# KiCad board LightRail_LPO_1.6T.kicad_pcb (continued)
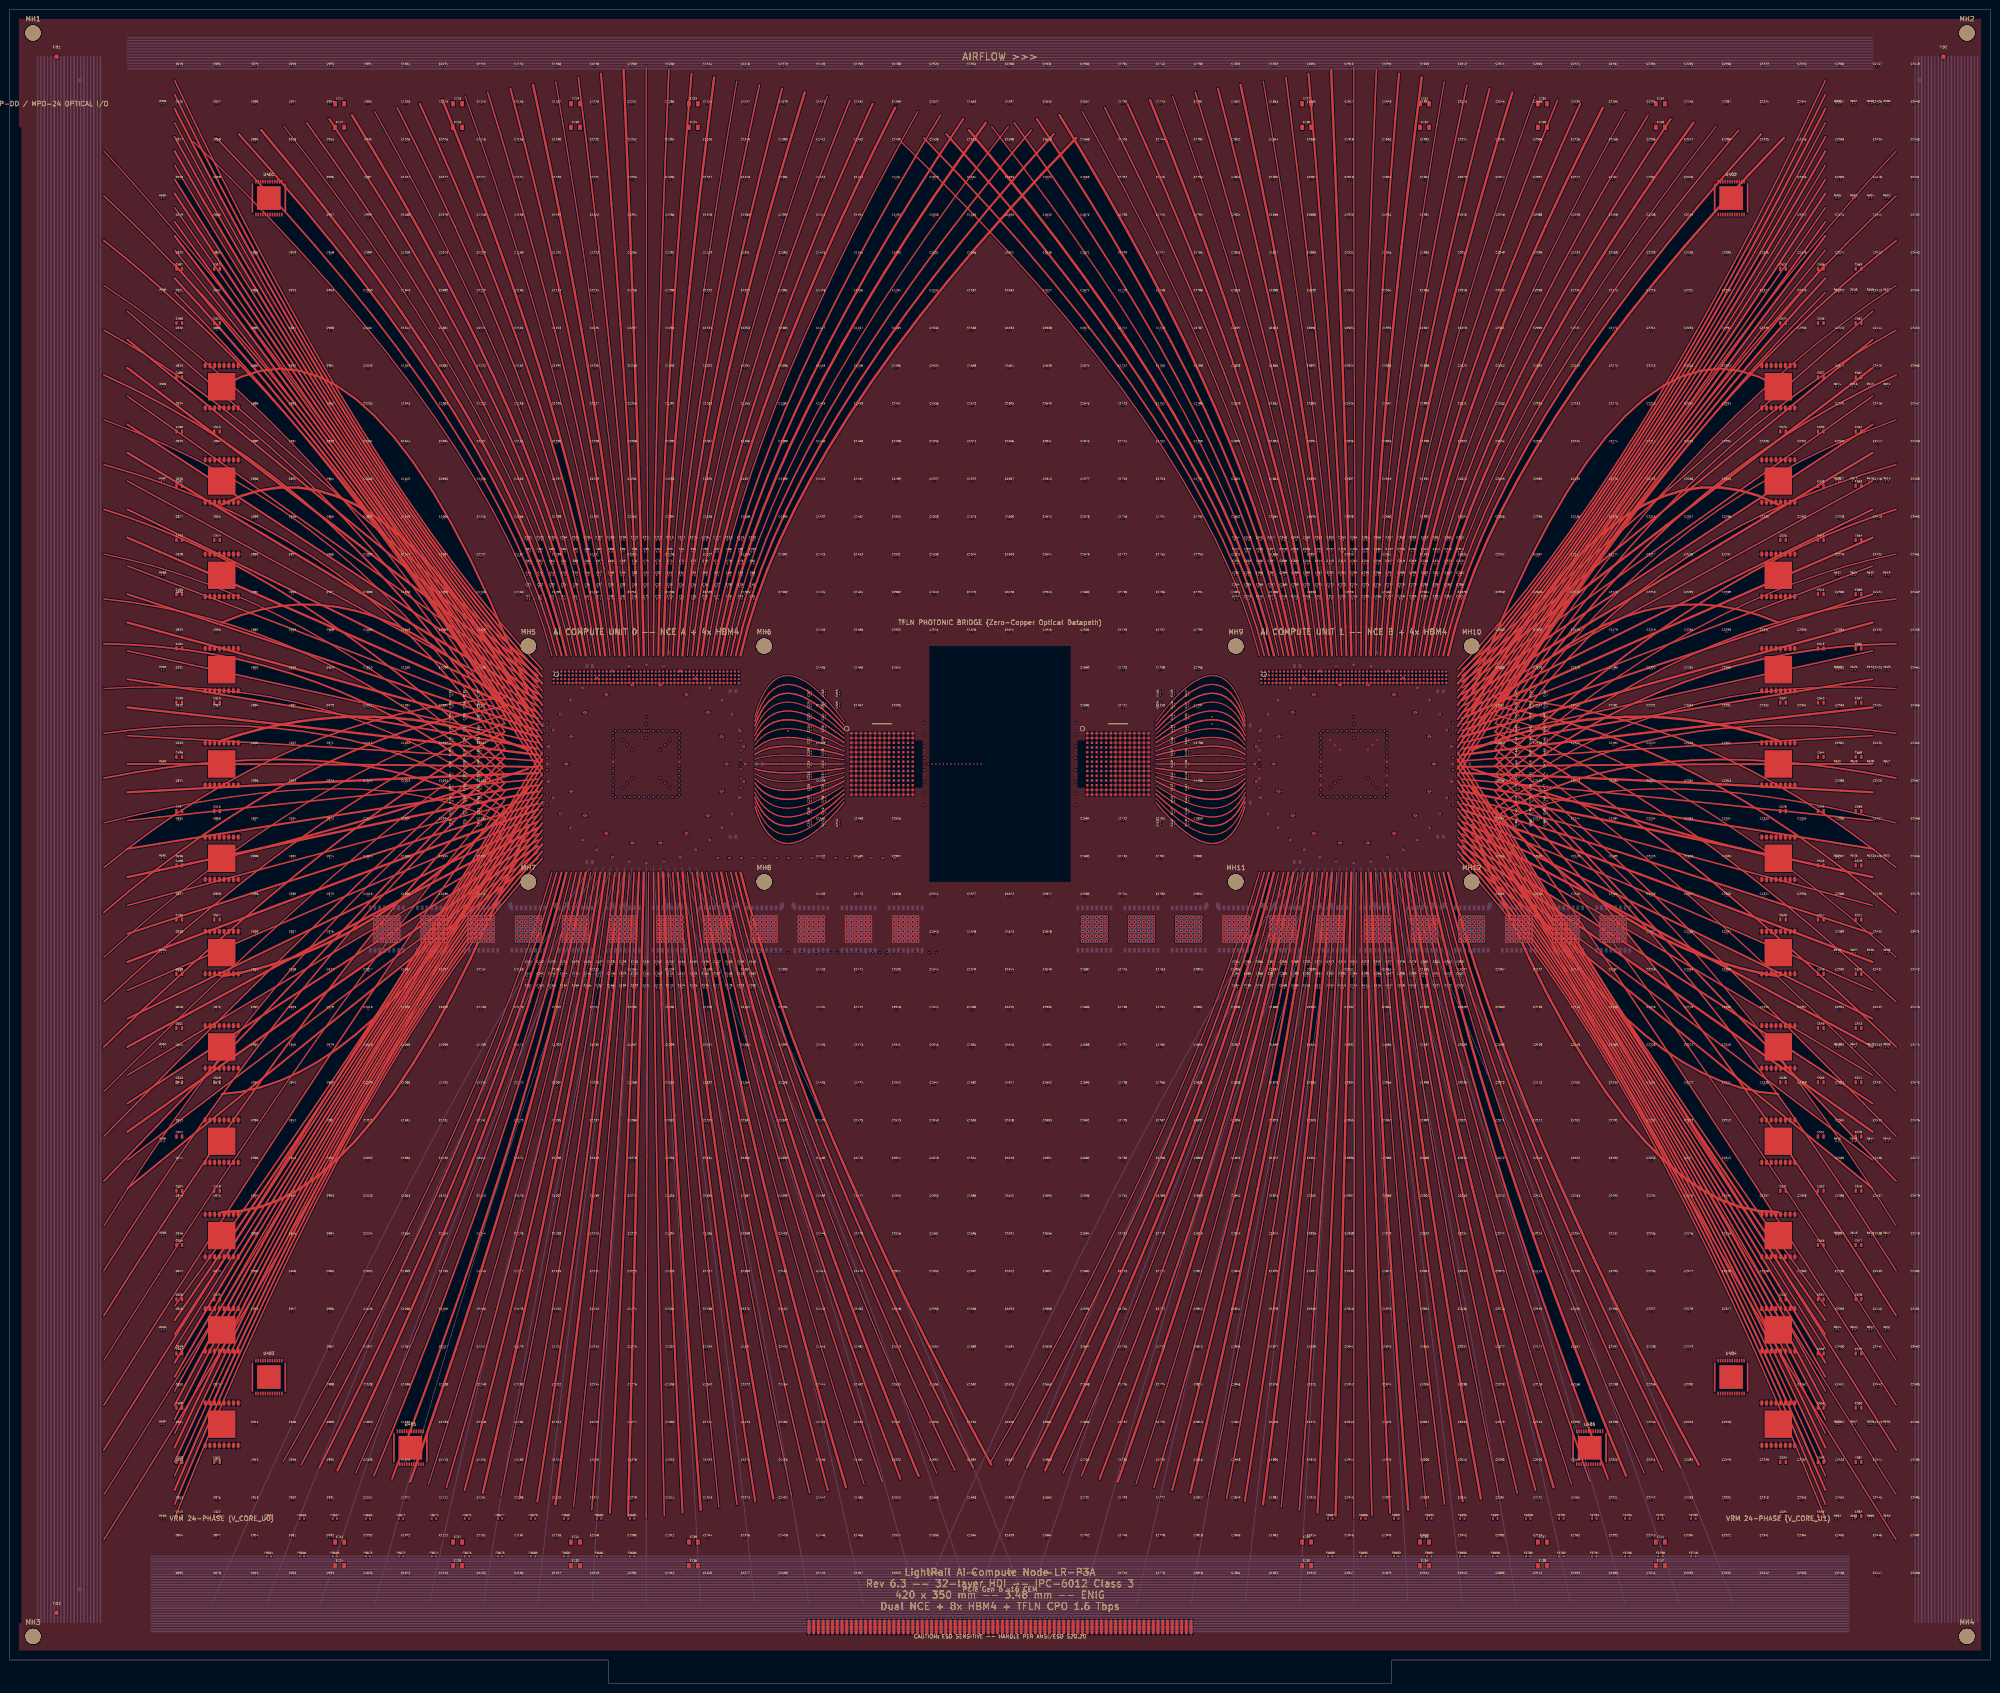
[diagram p0: board, top side]
## Nets (continued)

Pads without a net: C1 1 2; C2 1 2; C3 1 2; C4 1 2; C5 1 2; C6 1 2; C7 1 2; C8 1 2; C9 1 2; C10 1 2; C11 1 2; C12 1 2; C13 1 2; C14 1 2; C15 1 2; C16 1 2; C17 1 2; C18 1 2; C19 1 2; C20 1 2; C21 1 2; C22 1 2; C23 1 2; C24 1 2; C25 1 2; C26 1 2; C27 1 2; C28 1 2; C29 1 2; C30 1 2; C31 1 2; C32 1 2; C33 1 2; C34 1 2; C35 1 2; C36 1 2; C37 1 2; C38 1 2; C39 1 2; C40 1 2; C41 1 2; C42 1 2; C43 1 2; C44 1 2; C45 1 2; C46 1 2; C47 1 2; C48 1 2; C49 1 2; C50 1 2; C51 1 2; C52 1 2; C53 1 2; C54 1 2; C55 1 2; C56 1 2; C57 1 2; C58 1 2; C59 1 2; C60 1 2; C61 1 2; C62 1 2; C63 1 2; C64 1 2; C65 1 2; C66 1 2; C67 1 2; C68 1 2; C69 1 2; C70 1 2; C71 1 2; C72 1 2; C73 1 2; C74 1 2; C75 1 2; C76 1 2; C77 1 2; C78 1 2; C79 1 2; C80 1 2; C81 1 2; C82 1 2; C83 1 2; C84 1 2; C85 1 2; C86 1 2; C87 1 2; C88 1 2; C89 1 2; C90 1 2; C91 1 2; C92 1 2; C93 1 2; C94 1 2; C95 1 2; C96 1 2; C97 1 2; C98 1 2; C99 1 2; C100 1 2; C101 1 2; C102 1 2; C103 1 2; C104 1 2; C105 1 2; C106 1 2; C107 1 2; C108 1 2; C109 1 2; C110 1 2; C111 1 2; C112 1 2; C113 1 2; C114 1 2; C115 1 2; C116 1 2; C117 1 2; C118 1 2; C119 1 2; C120 1 2; C121 1 2; C122 1 2; C123 1 2; C124 1 2; C125 1 2; C126 1 2; C127 1 2; C128 1 2; C129 1 2; C130 1 2; C131 1 2; C132 1 2; C133 1 2; C134 1 2; C135 1 2; C136 1 2; C137 1 2; C138 1 2; C139 1 2; C140 1 2; C141 1 2; C142 1 2; C143 1 2; C144 1 2; C145 1 2; C146 1 2; C147 1 2; C148 1 2; C149 1 2; C150 1 2; C151 1 2; C152 1 2; C153 1 2; C154 1 2; C155 1 2; C156 1 2; C157 1 2; C158 1 2; C159 1 2; C160 1 2; C161 1 2; C162 1 2; C163 1 2; C164 1 2; C165 1 2; C166 1 2; C167 1 2; C168 1 2; C169 1 2; C170 1 2; C171 1 2; C172 1 2; C173 1 2; C174 1 2; C175 1 2; C176 1 2; C177 1 2; C178 1 2; C179 1 2; C180 1 2; C181 1 2; C182 1 2; C183 1 2; C184 1 2; C185 1 2; C186 1 2; C187 1 2; C188 1 2; C189 1 2; C190 1 2; C191 1 2; C192 1 2; C193 1 2; C194 1 2; C195 1 2; C196 1 2; C197 1 2; C198 1 2; C199 1 2; C200 1 2; C201 1 2; C202 1 2; C203 1 2; C204 1 2; C205 1 2; C206 1 2; C207 1 2; C208 1 2; C209 1 2; C210 1 2; C211 1 2; C212 1 2; C213 1 2; C214 1 2; C215 1 2; C216 1 2; C217 1 2; C218 1 2; C219 1 2; C220 1 2; C221 1 2; C222 1 2; C223 1 2; C224 1 2; C225 1 2; C226 1 2; C227 1 2; C228 1 2; C229 1 2; C230 1 2; C231 1 2; C232 1 2; C233 1 2; C234 1 2; C235 1 2; C236 1 2; C237 1 2; C238 1 2; C239 1 2; C240 1 2; C241 1 2; C242 1 2; C243 1 2; C244 1 2; C245 1 2; C246 1 2; C247 1 2; C248 1 2; C249 1 2; C250 1 2; C251 1 2; C252 1 2; C253 1 2; C254 1 2; C255 1 2; C256 1 2; C257 1 2; C258 1 2; C259 1 2; C260 1 2; C261 1 2; C262 1 2; C263 1 2; C264 1 2; C265 1 2; C266 1 2; C267 1 2; C268 1 2; C269 1 2; C270 1 2; C271 1 2; C272 1 2; C273 1 2; C274 1 2; C275 1 2; C276 1 2; C277 1 2; C278 1 2; C279 1 2; C280 1 2; C281 1 2; C282 1 2; C283 1 2; C284 1 2; C285 1 2; C286 1 2; C287 1 2; C288 1 2; C289 1 2; C290 1 2; C291 1 2; C292 1 2; C293 1 2; C294 1 2; C295 1 2; C296 1 2; C297 1 2; C298 1 2; C299 1 2; C300 1 2; C301 1 2; C302 1 2; C303 1 2; C304 1 2; C305 1 2; C306 1 2; C307 1 2; C308 1 2; C309 1 2; C310 1 2; C311 1 2; C312 1 2; C313 1 2; C314 1 2; C315 1 2; C316 1 2; C317 1 2; C318 1 2; C319 1 2; C320 1 2; C321 1 2; C322 1 2; C323 1 2; C324 1 2; C325 1 2; C326 1 2; C327 1 2; C328 1 2; C329 1 2; C330 1 2; C331 1 2; C332 1 2; C333 1 2; C334 1 2; C335 1 2; C336 1 2; C337 1 2; C338 1 2; C339 1 2; C340 1 2; C341 1 2; C342 1 2; C343 1 2; C344 1 2; C345 1 2; C346 1 2; C347 1 2; C348 1 2; C349 1 2; C350 1 2; C351 1 2; C352 1 2; C353 1 2; C354 1 2; C355 1 2; C356 1 2; C357 1 2; C358 1 2; C359 1 2; C360 1 2; C361 1 2; C362 1 2; C363 1 2; C364 1 2; C365 1 2; C366 1 2; C367 1 2; C368 1 2; C369 1 2; C370 1 2; C371 1 2; C372 1 2; C373 1 2; C374 1 2; C375 1 2; C376 1 2; C377 1 2; C378 1 2; C379 1 2; C380 1 2; C381 1 2; C382 1 2; C383 1 2; C384 1 2; C385 1 2; C386 1 2; C387 1 2; C388 1 2; C389 1 2; C390 1 2; C391 1 2; C392 1 2; C393 1 2; C394 1 2; C395 1 2; C396 1 2; C397 1 2; C398 1 2; C399 1 2; C400 1 2; C401 1 2; C402 1 2; C403 1 2; C404 1 2; C405 1 2; C406 1 2; C407 1 2; C408 1 2; C409 1 2; C410 1 2; C411 1 2; C412 1 2; C413 1 2; C414 1 2; C415 1 2; C416 1 2; C417 1 2; C418 1 2; C419 1 2; C420 1 2; C421 1 2; C422 1 2; C423 1 2; C424 1 2; C425 1 2; C426 1 2; C427 1 2; C428 1 2; C429 1 2; C430 1 2; C431 1 2; C432 1 2; C433 1 2; C434 1 2; C435 1 2; C436 1 2; C437 1 2; C438 1 2; C439 1 2; C440 1 2; C441 1 2; C442 1 2; C443 1 2; C444 1 2; C445 1 2; C446 1 2; C447 1 2; C448 1 2; C449 1 2; C450 1 2; C451 1 2; C452 1 2; C453 1 2; C454 1 2; C455 1 2; C456 1 2; C457 1 2; C458 1 2; C459 1 2; C460 1 2; C461 1 2; C462 1 2; C463 1 2; C464 1 2; C465 1 2; C466 1 2; C467 1 2; C468 1 2; C469 1 2; C470 1 2; C471 1 2; C472 1 2; C473 1 2; C474 1 2; C475 1 2; C476 1 2; C477 1 2; C478 1 2; C479 1 2; C480 1 2; C481 1 2; C482 1 2; C483 1 2; C484 1 2; C485 1 2; C486 1 2; C487 1 2; C488 1 2; C489 1 2; C490 1 2; C491 1 2; C492 1 2; C493 1 2; C494 1 2; C495 1 2; C496 1 2; C497 1 2; C498 1 2; C499 1 2; C500 1 2; C501 1 2; C502 1 2; C503 1 2; C504 1 2; C505 1 2; C506 1 2; C507 1 2; C508 1 2; C509 1 2; C510 1 2; C511 1 2; C512 1 2; C513 1 2; C514 1 2; C515 1 2; C516 1 2; C517 1 2; C518 1 2; C519 1 2; C520 1 2; C521 1 2; C522 1 2; C523 1 2; C524 1 2; C525 1 2; C526 1 2; C527 1 2; C528 1 2; C529 1 2; C530 1 2; C531 1 2; C532 1 2; C533 1 2; C534 1 2; C535 1 2; C536 1 2; C537 1 2; C538 1 2; C539 1 2; C540 1 2; C541 1 2; C542 1 2; C543 1 2; C544 1 2; C545 1 2; C546 1 2; C547 1 2; C548 1 2; C549 1 2; C550 1 2; C551 1 2; C552 1 2; C553 1 2; C554 1 2; C555 1 2; C556 1 2; C557 1 2; C558 1 2; C559 1 2; C560 1 2; C561 1 2; C562 1 2; C563 1 2; C564 1 2; C565 1 2; C566 1 2; C567 1 2; C568 1 2; C569 1 2; C570 1 2; C571 1 2; C572 1 2; C573 1 2; C574 1 2; C575 1 2; C576 1 2; C577 1 2; C578 1 2; C579 1 2; C580 1 2; C581 1 2; C582 1 2; C711 1 2; C712 1 2; C713 1 2; C714 1 2; C715 1 2; C716 1 2; C717 1 2; C718 1 2; C719 1 2; C720 1 2; C721 1 2; C722 1 2; C723 1 2; C724 1 2; C725 1 2; C726 1 2; C727 1 2; C728 1 2; C729 1 2; C730 1 2; C731 1 2; C732 1 2; C733 1 2; C734 1 2; C735 1 2; C736 1 2; C737 1 2; C738 1 2; C739 1 2; C740 1 2; C741 1 2; C742 1 2; C743 1 2; C744 1 2; C745 1 2; C746 1 2; C747 1 2; C748 1 2; C749 1 2; C750 1 2; C751 1 2; C752 1 2; C753 1 2; C754 1 2; C755 1 2; C756 1 2; C757 1 2; C758 1 2; C759 1 2; C760 1 2; C761 1 2; C762 1 2; C763 1 2; C764 1 2; C765 1 2; C766 1 2; C767 1 2; C768 1 2; C769 1 2; C770 1 2; C771 1 2; C772 1 2; C773 1 2; C774 1 2; C775 1 2; C776 1 2; C777 1 2; C778 1 2; C779 1 2; C780 1 2; C781 1 2; C782 1 2; C783 1 2; C784 1 2; C785 1 2; C786 1 2; C787 1 2; C788 1 2; C789 1 2; C790 1 2; C791 1 2; C792 1 2; C793 1 2; C794 1 2; C795 1 2; C796 1 2; C797 1 2; C798 1 2; C799 1 2; C800 1 2; C801 1 2; C802 1 2; C803 1 2; C804 1 2; C805 1 2; C806 1 2; C807 1 2; C808 1 2; C809 1 2; C810 1 2; C811 1 2; C812 1 2; C813 1 2; C814 1 2; C815 1 2; C816 1 2; C817 1 2; C818 1 2; C819 1 2; C820 1 2; C821 1 2; C822 1 2; C823 1 2; C824 1 2; C825 1 2; C826 1 2; C827 1 2; C828 1 2; C829 1 2; C830 1 2; C831 1 2; C832 1 2; C833 1 2; C834 1 2; C835 1 2; C836 1 2; C837 1 2; C838 1 2; C839 1 2; C840 1 2; C841 1 2; C842 1 2; C843 1 2; C844 1 2; C845 1 2; C846 1 2; C847 1 2; C848 1 2; C849 1 2; C850 1 2; C851 1 2; C852 1 2; C853 1 2; C854 1 2; C855 1 2; C856 1 2; C857 1 2; C858 1 2; C859 1 2; C860 1 2; C861 1 2; C862 1 2; C863 1 2; C864 1 2; C865 1 2; C866 1 2; C867 1 2; C868 1 2; C869 1 2; C870 1 2; C871 1 2; C872 1 2; C873 1 2; C874 1 2; C875 1 2; C876 1 2; C877 1 2; C878 1 2; C879 1 2; C880 1 2; C881 1 2; C882 1 2; C883 1 2; C884 1 2; C885 1 2; C886 1 2; C887 1 2; C888 1 2; C889 1 2; C890 1 2; C891 1 2; C892 1 2; C893 1 2; C894 1 2; C895 1 2; C896 1 2; C897 1 2; C898 1 2; C899 1 2; C900 1 2; C901 1 2; C902 1 2; C903 1 2; C904 1 2; C905 1 2; C906 1 2; C907 1 2; C908 1 2; C909 1 2; C910 1 2; C911 1 2; C912 1 2; C913 1 2; C914 1 2; C915 1 2; C916 1 2; C917 1 2; C918 1 2; C919 1 2; C920 1 2; C921 1 2; C922 1 2; C923 1 2; C924 1 2; C925 1 2; C926 1 2; C927 1 2; C928 1 2; C929 1 2; C930 1 2; C931 1 2; C932 1 2; C933 1 2; C934 1 2; C935 1 2; C936 1 2; C937 1 2; C938 1 2; C939 1 2; C940 1 2; C941 1 2; C942 1 2; C943 1 2; C944 1 2; C945 1 2; C946 1 2; C947 1 2; C948 1 2; C949 1 2; C950 1 2; C951 1 2; C952 1 2; C953 1 2; C954 1 2; C955 1 2; C956 1 2; C957 1 2; C958 1 2; C959 1 2; C960 1 2; C961 1 2; C962 1 2; C963 1 2; C964 1 2; C965 1 2; C966 1 2; C967 1 2; C968 1 2; C969 1 2; C970 1 2; C971 1 2; C972 1 2; C973 1 2; C974 1 2; C975 1 2; C976 1 2; C977 1 2; C978 1 2; C979 1 2; C980 1 2; C981 1 2; C982 1 2; C983 1 2; C984 1 2; C985 1 2; C986 1 2; C987 1 2; C988 1 2; C989 1 2; C990 1 2; C991 1 2; C992 1 2; C993 1 2; C994 1 2; C995 1 2; C996 1 2; C997 1 2; C998 1 2; C999 1 2; C1000 1 2; C1001 1 2; C1002 1 2; C1003 1 2; C1004 1 2; C1005 1 2; C1006 1 2; C1007 1 2; C1008 1 2; C1009 1 2; C1010 1 2; C1011 1 2; C1012 1 2; C1013 1 2; C1014 1 2; C1015 1 2; C1016 1 2; C1017 1 2; C1018 1 2; C1019 1 2; C1020 1 2; C1021 1 2; C1022 1 2; C1023 1 2; C1024 1 2; C1025 1 2; C1026 1 2; C1027 1 2; C1028 1 2; C1029 1 2; C1030 1 2; C1031 1 2; C1032 1 2; C1033 1 2; C1034 1 2; C1035 1 2; C1036 1 2; C1037 1 2; C1038 1 2; C1039 1 2; C1040 1 2; C1041 1 2; C1042 1 2; C1043 1 2; C1044 1 2; C1045 1 2; C1046 1 2; C1047 1 2; C1048 1 2; C1049 1 2; C1050 1 2; C1051 1 2; C1052 1 2; C1053 1 2; C1054 1 2; C1055 1 2; C1056 1 2; C1057 1 2; C1058 1 2; C1059 1 2; C1060 1 2; C1061 1 2; C1062 1 2; C1063 1 2; C1064 1 2; C1065 1 2; C1066 1 2; C1067 1 2; C1068 1 2; C1069 1 2; C1070 1 2; C1071 1 2; C1072 1 2; C1073 1 2; C1074 1 2; C1075 1 2; C1076 1 2; C1077 1 2; C1078 1 2; C1079 1 2; C1080 1 2; C1081 1 2; C1082 1 2; C1083 1 2; C1084 1 2; C1085 1 2; C1086 1 2; C1087 1 2; C1088 1 2; C1089 1 2; C1090 1 2; C1091 1 2; C1092 1 2; C1093 1 2; C1094 1 2; C1095 1 2; C1096 1 2; C1097 1 2; C1098 1 2; C1099 1 2; C1100 1 2; C1101 1 2; C1102 1 2; C1103 1 2; C1104 1 2; C1105 1 2; C1106 1 2; C1107 1 2; C1108 1 2; C1109 1 2; C1110 1 2; C1111 1 2; C1112 1 2; C1113 1 2; C1114 1 2; C1115 1 2; C1116 1 2; C1117 1 2; C1118 1 2; C1119 1 2; C1120 1 2; C1121 1 2; C1122 1 2; C1123 1 2; C1124 1 2; C1125 1 2; C1126 1 2; C1127 1 2; C1128 1 2; C1129 1 2; C1130 1 2; C1131 1 2; C1132 1 2; C1133 1 2; C1134 1 2; C1135 1 2; C1136 1 2; C1137 1 2; C1138 1 2; C1139 1 2; C1140 1 2; C1141 1 2; C1142 1 2; C1143 1 2; C1144 1 2; C1145 1 2; C1146 1 2; C1147 1 2; C1148 1 2; C1149 1 2; C1150 1 2; C1151 1 2; C1152 1 2; C1153 1 2; C1154 1 2; C1155 1 2; C1156 1 2; C1157 1 2; C1158 1 2; C1159 1 2; C1160 1 2; C1161 1 2; C1162 1 2; C1163 1 2; C1164 1 2; C1165 1 2; C1166 1 2; C1167 1 2; C1168 1 2; C1169 1 2; C1170 1 2; C1171 1 2; C1172 1 2; C1173 1 2; C1174 1 2; C1175 1 2; C1176 1 2; C1177 1 2; C1178 1 2; C1179 1 2; C1180 1 2; C1181 1 2; C1182 1 2; C1183 1 2; C1184 1 2; C1185 1 2; C1186 1 2; C1187 1 2; C1188 1 2; C1189 1 2; C1190 1 2; C1191 1 2; C1192 1 2; C1193 1 2; C1194 1 2; C1195 1 2; C1196 1 2; C1197 1 2; C1198 1 2; C1199 1 2; C1200 1 2; C1201 1 2; C1202 1 2; C1203 1 2; C1204 1 2; C1205 1 2; C1206 1 2; C1207 1 2; C1208 1 2; C1209 1 2; C1210 1 2; C1211 1 2; C1212 1 2; C1213 1 2; C1214 1 2; C1215 1 2; C1216 1 2; C1217 1 2; C1218 1 2; C1219 1 2; C1220 1 2; C1221 1 2; C1222 1 2; C1223 1 2; C1224 1 2; C1225 1 2; C1226 1 2; C1227 1 2; C1228 1 2; C1229 1 2; C1230 1 2; C1231 1 2; C1232 1 2; C1233 1 2; C1234 1 2; C1235 1 2; C1236 1 2; C1237 1 2; C1238 1 2; C1239 1 2; C1240 1 2; C1241 1 2; C1242 1 2; C1243 1 2; C1244 1 2; C1245 1 2; C1246 1 2; C1247 1 2; C1248 1 2; C1249 1 2; C1250 1 2; C1251 1 2; C1252 1 2; C1253 1 2; C1254 1 2; C1255 1 2; C1256 1 2; C1257 1 2; C1258 1 2; C1259 1 2; C1260 1 2; C1261 1 2; C1262 1 2; C1263 1 2; C1264 1 2; C1265 1 2; C1266 1 2; C1267 1 2; C1268 1 2; C1269 1 2; C1270 1 2; C1271 1 2; C1272 1 2; C1273 1 2; C1274 1 2; C1275 1 2; C1276 1 2; C1277 1 2; C1278 1 2; C1279 1 2; C1280 1 2; C1281 1 2; C1282 1 2; C1283 1 2; C1284 1 2; C1285 1 2; C1286 1 2; C1287 1 2; C1288 1 2; C1289 1 2; C1290 1 2; C1291 1 2; C1292 1 2; C1293 1 2; C1294 1 2; C1295 1 2; C1296 1 2; C1297 1 2; C1298 1 2; C1299 1 2; C1300 1 2; C1301 1 2; C1302 1 2; C1303 1 2; C1304 1 2; C1305 1 2; C1306 1 2; C1307 1 2; C1308 1 2; C1309 1 2; C1310 1 2; C1311 1 2; C1312 1 2; C1313 1 2; C1314 1 2; C1315 1 2; C1316 1 2; C1317 1 2; C1318 1 2; C1319 1 2; C1320 1 2; C1321 1 2; C1322 1 2; C1323 1 2; C1324 1 2; C1325 1 2; C1326 1 2; C1327 1 2; C1328 1 2; C1329 1 2; C1330 1 2; C1331 1 2; C1332 1 2; C1333 1 2; C1334 1 2; C1335 1 2; C1336 1 2; C1337 1 2; C1338 1 2; C1339 1 2; C1340 1 2; C1341 1 2; C1342 1 2; C1343 1 2; C1344 1 2; C1345 1 2; C1346 1 2; C1347 1 2; C1348 1 2; C1349 1 2; C1350 1 2; C1351 1 2; C1352 1 2; C1353 1 2; C1354 1 2; C1355 1 2; C1356 1 2; C1357 1 2; C1358 1 2; C1359 1 2; C1360 1 2; C1361 1 2; C1362 1 2; C1363 1 2; C1364 1 2; C1365 1 2; C1366 1 2; C1367 1 2; C1368 1 2; C1369 1 2; C1370 1 2; C1371 1 2; C1372 1 2; C1373 1 2; C1374 1 2; C1375 1 2; C1376 1 2; C1377 1 2; C1378 1 2; C1379 1 2; C1380 1 2; C1381 1 2; C1382 1 2; C1383 1 2; C1384 1 2; C1385 1 2; C1386 1 2; C1387 1 2; C1388 1 2; C1389 1 2; C1390 1 2; C1391 1 2; C1392 1 2; C1393 1 2; C1394 1 2; C1395 1 2; C1396 1 2; C1397 1 2; C1398 1 2; C1399 1 2; C1400 1 2; C1401 1 2; C1402 1 2; C1403 1 2; C1404 1 2; C1405 1 2; C1406 1 2; C1407 1 2; C1408 1 2; C1409 1 2; C1410 1 2; C1411 1 2; C1412 1 2; C1413 1 2; C1414 1 2; C1415 1 2; C1416 1 2; C1417 1 2; C1418 1 2; C1419 1 2; C1420 1 2; C1421 1 2; C1422 1 2; C1423 1 2; C1424 1 2; C1425 1 2; C1426 1 2; C1427 1 2; C1428 1 2; C1429 1 2; C1430 1 2; C1431 1 2; C1432 1 2; C1433 1 2; C1434 1 2; C1435 1 2; C1436 1 2; C1437 1 2; C1438 1 2; C1439 1 2; C1440 1 2; C1441 1 2; C1442 1 2; C1443 1 2; C1444 1 2; C1445 1 2; C1446 1 2; C1447 1 2; C1448 1 2; C1449 1 2; C1450 1 2; C1451 1 2; C1452 1 2; C1453 1 2; C1454 1 2; C1455 1 2; C1456 1 2; C1457 1 2; C1458 1 2; C1459 1 2; C1460 1 2; C1461 1 2; C1462 1 2; C1463 1 2; C1464 1 2; C1465 1 2; C1466 1 2; C1467 1 2; C1468 1 2; C1469 1 2; C1470 1 2; C1471 1 2; C1472 1 2; C1473 1 2; C1474 1 2; C1475 1 2; C1476 1 2; C1477 1 2; C1478 1 2; C1479 1 2; C1480 1 2; C1481 1 2; C1482 1 2; C1483 1 2; C1484 1 2; C1485 1 2; C1486 1 2; C1487 1 2; C1488 1 2; C1489 1 2; C1490 1 2; C1491 1 2; C1492 1 2; C1493 1 2; C1494 1 2; C1495 1 2; C1496 1 2; C1497 1 2; C1498 1 2; C1499 1 2; C1500 1 2; C1501 1 2; C1502 1 2; C1503 1 2; C1504 1 2; C1505 1 2; C1506 1 2; C1507 1 2; C1508 1 2; C1509 1 2; C1510 1 2; C1511 1 2; C1512 1 2; C1513 1 2; C1514 1 2; C1515 1 2; C1516 1 2; C1517 1 2; C1518 1 2; C1519 1 2; C1520 1 2; C1521 1 2; C1522 1 2; C1523 1 2; C1524 1 2; C1525 1 2; C1526 1 2; C1527 1 2; C1528 1 2; C1529 1 2; C1530 1 2; C1531 1 2; C1532 1 2; C1533 1 2; C1534 1 2; C1535 1 2; C1536 1 2; C1537 1 2; C1538 1 2; C1539 1 2; C1540 1 2; C1541 1 2; C1542 1 2; C1543 1 2; C1544 1 2; C1545 1 2; C1546 1 2; C1547 1 2; C1548 1 2; C1549 1 2; C1550 1 2; C1551 1 2; C1552 1 2; C1553 1 2; C1554 1 2; C1555 1 2; C1556 1 2; C1557 1 2; C1558 1 2; C1559 1 2; C1560 1 2; C1561 1 2; C1562 1 2; C1563 1 2; C1564 1 2; C1565 1 2; C1566 1 2; C1567 1 2; C1568 1 2; C1569 1 2; C1570 1 2; C1571 1 2; C1572 1 2; C1573 1 2; C1574 1 2; C1575 1 2; C1576 1 2; C1577 1 2; C1578 1 2; C1579 1 2; C1580 1 2; C1581 1 2; C1582 1 2; C1583 1 2; C1584 1 2; C1585 1 2; C1586 1 2; C1587 1 2; C1588 1 2; C1589 1 2; C1590 1 2; C1591 1 2; C1592 1 2; C1593 1 2; C1594 1 2; C1595 1 2; C1596 1 2; C1597 1 2; C1598 1 2; C1599 1 2; C1600 1 2; C1601 1 2; C1602 1 2; C1603 1 2; C1604 1 2; C1605 1 2; C1606 1 2; C1607 1 2; C1608 1 2; C1609 1 2; C1610 1 2; C1611 1 2; C1612 1 2; C1613 1 2; C1614 1 2; C1615 1 2; C1616 1 2; C1617 1 2; C1618 1 2; C1619 1 2; C1620 1 2; C1621 1 2; C1622 1 2; C1623 1 2; C1624 1 2; C1625 1 2; C1626 1 2; C1627 1 2; C1628 1 2; C1629 1 2; C1630 1 2; C1631 1 2; C1632 1 2; C1633 1 2; C1634 1 2; C1635 1 2; C1636 1 2; C1637 1 2; C1638 1 2; C1639 1 2; C1640 1 2; C1641 1 2; C1642 1 2; C1643 1 2; C1644 1 2; C1645 1 2; C1646 1 2; C1647 1 2; C1648 1 2; C1649 1 2; C1650 1 2; C1651 1 2; C1652 1 2; C1653 1 2; C1654 1 2; C1655 1 2; C1656 1 2; C1657 1 2; C1658 1 2; C1659 1 2; C1660 1 2; C1661 1 2; C1662 1 2; C1663 1 2; C1664 1 2; C1665 1 2; C1666 1 2; C1667 1 2; C1668 1 2; C1669 1 2; C1670 1 2; C1671 1 2; C1672 1 2; C1673 1 2; C1674 1 2; C1675 1 2; C1676 1 2; C1677 1 2; C1678 1 2; C1679 1 2; C1680 1 2; C1681 1 2; C1682 1 2; C1683 1 2; C1684 1 2; C1685 1 2; C1686 1 2; C1687 1 2; C1688 1 2; C1689 1 2; C1690 1 2; C1691 1 2; C1692 1 2; C1693 1 2; C1694 1 2; C1695 1 2; C1696 1 2; C1697 1 2; C1698 1 2; C1699 1 2; C1700 1 2; C1701 1 2; C1702 1 2; C1703 1 2; C1704 1 2; C1705 1 2; C1706 1 2; C1707 1 2; C1708 1 2; C1709 1 2; C1710 1 2; C1711 1 2; C1712 1 2; C1713 1 2; C1714 1 2; C1715 1 2; C1716 1 2; C1717 1 2; C1718 1 2; C1719 1 2; C1720 1 2; C1721 1 2; C1722 1 2; C1723 1 2; C1724 1 2; C1725 1 2; C1726 1 2; C1727 1 2; C1728 1 2; C1729 1 2; C1730 1 2; C1731 1 2; C1732 1 2; C1733 1 2; C1734 1 2; C1735 1 2; C1736 1 2; C1737 1 2; C1738 1 2; C1739 1 2; C1740 1 2; C1741 1 2; C1742 1 2; C1743 1 2; C1744 1 2; C1745 1 2; C1746 1 2; C1747 1 2; C1748 1 2; C1749 1 2; C1750 1 2; C1751 1 2; C1752 1 2; C1753 1 2; C1754 1 2; C1755 1 2; C1756 1 2; C1757 1 2; C1758 1 2; C1759 1 2; C1760 1 2; C1761 1 2; C1762 1 2; C1763 1 2; C1764 1 2; C1765 1 2; C1766 1 2; C1767 1 2; C1768 1 2; C1769 1 2; C1770 1 2; C1771 1 2; C1772 1 2; C1773 1 2; C1774 1 2; C1775 1 2; C1776 1 2; C1777 1 2; C1778 1 2; C1779 1 2; C1780 1 2; C1781 1 2; C1782 1 2; C1783 1 2; C1784 1 2; C1785 1 2; C1786 1 2; C1787 1 2; C1788 1 2; C1789 1 2; C1790 1 2; C1791 1 2; C1792 1 2; C1793 1 2; C1794 1 2; C1795 1 2; C1796 1 2; C1797 1 2; C1798 1 2; C1799 1 2; C1800 1 2; C1801 1 2; C1802 1 2; C1803 1 2; C1804 1 2; C1805 1 2; C1806 1 2; C1807 1 2; C1808 1 2; C1809 1 2; C1810 1 2; C1811 1 2; C1812 1 2; C1813 1 2; C1814 1 2; C1815 1 2; C1816 1 2; C1817 1 2; C1818 1 2; C1819 1 2; C1820 1 2; C1821 1 2; C1822 1 2; C1823 1 2; C1824 1 2; C1825 1 2; C1826 1 2; C1827 1 2; C1828 1 2; C1829 1 2; C1830 1 2; C1831 1 2; C1832 1 2; C1833 1 2; C1834 1 2; C1835 1 2; C1836 1 2; C1837 1 2; C1838 1 2; C1839 1 2; C1840 1 2; C1841 1 2; C1842 1 2; C1843 1 2; C1844 1 2; C1845 1 2; C1846 1 2; C1847 1 2; C1848 1 2; C1849 1 2; C1850 1 2; C1851 1 2; C1852 1 2; C1853 1 2; C1854 1 2; C1855 1 2; C1856 1 2; C1857 1 2; C1858 1 2; C1859 1 2; C1860 1 2; C1861 1 2; C1862 1 2; C1863 1 2; C1864 1 2; C1865 1 2; C1866 1 2; C1867 1 2; C1868 1 2; C1869 1 2; C1870 1 2; C1871 1 2; C1872 1 2; C1873 1 2; C1874 1 2; C1875 1 2; C1876 1 2; C1877 1 2; C1878 1 2; C1879 1 2; C1880 1 2; C1881 1 2; C1882 1 2; C1883 1 2; C1884 1 2; C1885 1 2; C1886 1 2; C1887 1 2; C1888 1 2; C1889 1 2; C1890 1 2; C1891 1 2; C1892 1 2; C1893 1 2; C1894 1 2; C1895 1 2; C1896 1 2; C1897 1 2; C1898 1 2; C1899 1 2; C1900 1 2; C1901 1 2; C1902 1 2; C1903 1 2; C1904 1 2; C1905 1 2; C1906 1 2; C1907 1 2; C1908 1 2; C1909 1 2; C1910 1 2; C1911 1 2; C1912 1 2; C1913 1 2; C1914 1 2; C1915 1 2; C1916 1 2; C1917 1 2; C1918 1 2; C1919 1 2; C1920 1 2; C1921 1 2; C1922 1 2; C1923 1 2; C1924 1 2; C1925 1 2; C1926 1 2; C1927 1 2; C1928 1 2; C1929 1 2; C1930 1 2; C1931 1 2; C1932 1 2; C1933 1 2; C1934 1 2; C1935 1 2; C1936 1 2; C1937 1 2; C1938 1 2; C1939 1 2; C1940 1 2; C1941 1 2; C1942 1 2; C1943 1 2; C1944 1 2; C1945 1 2; C1946 1 2; C1947 1 2; C1948 1 2; C1949 1 2; C1950 1 2; C1951 1 2; C1952 1 2; C1953 1 2; C1954 1 2; C1955 1 2; C1956 1 2; C1957 1 2; C1958 1 2; C1959 1 2; C1960 1 2; C1961 1 2; C1962 1 2; C1963 1 2; C1964 1 2; C1965 1 2; C1966 1 2; C1967 1 2; C1968 1 2; C1969 1 2; C1970 1 2; C1971 1 2; C1972 1 2; C1973 1 2; C1974 1 2; C1975 1 2; C1976 1 2; C1977 1 2; C1978 1 2; C1979 1 2; C1980 1 2; C1981 1 2; C1982 1 2; C1983 1 2; C1984 1 2; C1985 1 2; C1986 1 2; C1987 1 2; C1988 1 2; C1989 1 2; C1990 1 2; C1991 1 2; C1992 1 2; C1993 1 2; C1994 1 2; C1995 1 2; C1996 1 2; C1997 1 2; C1998 1 2; C1999 1 2; C2000 1 2; C2001 1 2; C2002 1 2; C2003 1 2; C2004 1 2; C2005 1 2; C2006 1 2; C2007 1 2; C2008 1 2; C2009 1 2; C2010 1 2; C2011 1 2; C2012 1 2; C2013 1 2; C2014 1 2; C2015 1 2; C2016 1 2; C2017 1 2; C2018 1 2; C2019 1 2; C2020 1 2; C2021 1 2; C2022 1 2; C2023 1 2; C2024 1 2; C2025 1 2; C2026 1 2; C2027 1 2; C2028 1 2; C2029 1 2; C2030 1 2; C2031 1 2; C2032 1 2; C2033 1 2; C2034 1 2; C2035 1 2; C2036 1 2; C2037 1 2; C2038 1 2; C2039 1 2; C2040 1 2; C2041 1 2; C2042 1 2; C2043 1 2; C2044 1 2; C2045 1 2; C2046 1 2; C2047 1 2; C2048 1 2; C2049 1 2; C2050 1 2; C2051 1 2; C2052 1 2; C2053 1 2; C2054 1 2; C2055 1 2; C2056 1 2; C2057 1 2; C2058 1 2; C2059 1 2; C2060 1 2; C2061 1 2; C2062 1 2; C2063 1 2; C2064 1 2; C2065 1 2; C2066 1 2; C2067 1 2; C2068 1 2; C2069 1 2; C2070 1 2; C2071 1 2; C2072 1 2; C2073 1 2; C2074 1 2; C2075 1 2; C2076 1 2; C2077 1 2; C2078 1 2; C2079 1 2; C2080 1 2; C2081 1 2; C2082 1 2; C2083 1 2; C2084 1 2; C2085 1 2; C2086 1 2; C2087 1 2; C2088 1 2; C2089 1 2; C2090 1 2; C2091 1 2; C2092 1 2; C2093 1 2; C2094 1 2; C2095 1 2; C2096 1 2; C2097 1 2; C2098 1 2; C2099 1 2; C2100 1 2; C2101 1 2; C2102 1 2; C2103 1 2; C2104 1 2; C2105 1 2; C2106 1 2; C2107 1 2; C2108 1 2; C2109 1 2; C2110 1 2; C2111 1 2; C2112 1 2; C2113 1 2; C2114 1 2; C2115 1 2; C2116 1 2; C2117 1 2; C2118 1 2; C2119 1 2; C2120 1 2; C2121 1 2; C2122 1 2; C2123 1 2; C2124 1 2; C2125 1 2; C2126 1 2; C2127 1 2; C2128 1 2; C2129 1 2; C2130 1 2; C2131 1 2; C2132 1 2; C2133 1 2; C2134 1 2; C2135 1 2; C2136 1 2; C2137 1 2; C2138 1 2; C2139 1 2; C2140 1 2; C2141 1 2; C2142 1 2; C2143 1 2; C2144 1 2; C2145 1 2; C2146 1 2; C2147 1 2; C2148 1 2; C2149 1 2; C2150 1 2; C2151 1 2; C2152 1 2; C2153 1 2; C2154 1 2; C2155 1 2; C2156 1 2; C2157 1 2; C2158 1 2; C2159 1 2; C2160 1 2; C2161 1 2; C2162 1 2; C2163 1 2; C2164 1 2; C2165 1 2; C2166 1 2; C2167 1 2; C2168 1 2; C2169 1 2; C2170 1 2; C2171 1 2; C2172 1 2; C2173 1 2; C2174 1 2; C2175 1 2; C2176 1 2; C2177 1 2; C2178 1 2; C2179 1 2; C2180 1 2; C2181 1 2; C2182 1 2; C2183 1 2; C2184 1 2; C2185 1 2; C2186 1 2; C2187 1 2; C2188 1 2; C2189 1 2; C2190 1 2; C2191 1 2; C2192 1 2; C2193 1 2; C2194 1 2; C2195 1 2; C2196 1 2; C2197 1 2; C2198 1 2; C2199 1 2; C2200 1 2; C2201 1 2; C2202 1 2; C2203 1 2; C2204 1 2; C2205 1 2; C2206 1 2; C2207 1 2; C2208 1 2; C2209 1 2; C2210 1 2; C2211 1 2; C2212 1 2; C2213 1 2; C2214 1 2; C2215 1 2; C2216 1 2; C2217 1 2; C2218 1 2; C2219 1 2; C2220 1 2; C2221 1 2; C2222 1 2; C2223 1 2; C2224 1 2; C2225 1 2; C2226 1 2; C2227 1 2; C2228 1 2; C2229 1 2; C2230 1 2; C2231 1 2; C2232 1 2; C2233 1 2; C2234 1 2; C2235 1 2; C2236 1 2; C2237 1 2; C2238 1 2; C2239 1 2; C2240 1 2; C2241 1 2; C2242 1 2; C2243 1 2; C2244 1 2; C2245 1 2; C2246 1 2; C2247 1 2; C2248 1 2; C2249 1 2; C2250 1 2; C2251 1 2; C2252 1 2; C2253 1 2; C2254 1 2; C2255 1 2; C2256 1 2; C2257 1 2; C2258 1 2; C2259 1 2; C2260 1 2; C2261 1 2; C2262 1 2; C2263 1 2; C2264 1 2; C2265 1 2; C2266 1 2; C2267 1 2; C2268 1 2; C2269 1 2; C2270 1 2; C2271 1 2; C2272 1 2; C2273 1 2; C2274 1 2; C2275 1 2; C2276 1 2; C2277 1 2; C2278 1 2; C2279 1 2; C2280 1 2; C2281 1 2; C2282 1 2; C2283 1 2; C2284 1 2; C2285 1 2; C2286 1 2; C2287 1 2; C2288 1 2; C2289 1 2; C2290 1 2; C2291 1 2; C2292 1 2; C2293 1 2; C2294 1 2; C2295 1 2; C2296 1 2; C2297 1 2; C2298 1 2; C2299 1 2; C2300 1 2; C2301 1 2; C2302 1 2; C2303 1 2; C2304 1 2; C2305 1 2; C2306 1 2; C2307 1 2; C2308 1 2; C2309 1 2; C2310 1 2; C2311 1 2; C2312 1 2; C2313 1 2; C2314 1 2; C2315 1 2; C2316 1 2; C2317 1 2; C2318 1 2; C2319 1 2; C2320 1 2; C2321 1 2; C2322 1 2; C2323 1 2; C2324 1 2; C2325 1 2; C2326 1 2; C2327 1 2; C2328 1 2; C2329 1 2; C2330 1 2; C2331 1 2; C2332 1 2; C2333 1 2; C2334 1 2; C2335 1 2; C2336 1 2; C2337 1 2; C2338 1 2; C2339 1 2; C2340 1 2; C2341 1 2; C2342 1 2; C2343 1 2; C2344 1 2; C2345 1 2; C2346 1 2; C2347 1 2; C2348 1 2; C2349 1 2; C2350 1 2; C2351 1 2; C2352 1 2; C2353 1 2; C2354 1 2; C2355 1 2; C2356 1 2; C2357 1 2; C2358 1 2; C2359 1 2; C2360 1 2; C2361 1 2; C2362 1 2; C2363 1 2; C2364 1 2; C2365 1 2; C2366 1 2; C2367 1 2; C2368 1 2; C2369 1 2; C2370 1 2; C2371 1 2; C2372 1 2; C2373 1 2; C2374 1 2; C2375 1 2; C2376 1 2; C2377 1 2; C2378 1 2; C2379 1 2; C2380 1 2; C2381 1 2; C2382 1 2; C2383 1 2; C2384 1 2; C2385 1 2; C2386 1 2; C2387 1 2; C2388 1 2; C2389 1 2; C2390 1 2; C2391 1 2; C2392 1 2; C2393 1 2; C2394 1 2; C2395 1 2; C2396 1 2; C2397 1 2; C2398 1 2; C2399 1 2; C2400 1 2; C2401 1 2; C2402 1 2; C2403 1 2; C2404 1 2; C2405 1 2; C2406 1 2; C2407 1 2; C2408 1 2; C2409 1 2; C2410 1 2; C2411 1 2; C2412 1 2; C2413 1 2; C2414 1 2; C2415 1 2; C2416 1 2; C2417 1 2; C2418 1 2; C2419 1 2; C2420 1 2; C2421 1 2; C2422 1 2; C2423 1 2; C2424 1 2; C2425 1 2; C2426 1 2; C2427 1 2; C2428 1 2; C2429 1 2; C2430 1 2; C2431 1 2; C2432 1 2; C2433 1 2; C2434 1 2; C2435 1 2; C2436 1 2; C2437 1 2; C2438 1 2; C2439 1 2; C2440 1 2; C2441 1 2; C2442 1 2; C2443 1 2; C2444 1 2; C2445 1 2; C2446 1 2; C2447 1 2; C2448 1 2; C2449 1 2; C2450 1 2; C2451 1 2; C2452 1 2; C2453 1 2; C2454 1 2; C2455 1 2; C2456 1 2; C2457 1 2; C2458 1 2; C2459 1 2; C2460 1 2; C2461 1 2; C2462 1 2; C2463 1 2; C2464 1 2; C2465 1 2; C2466 1 2; C2467 1 2; C2468 1 2; C2469 1 2; C2470 1 2; C2471 1 2; C2472 1 2; C2473 1 2; C2474 1 2; C2475 1 2; C2476 1 2; C2477 1 2; C2478 1 2; C2479 1 2; C2480 1 2; C2481 1 2; C2482 1 2; C2483 1 2; C2484 1 2; C2485 1 2; C2486 1 2; C2487 1 2; C2488 1 2; FB663 1 2; FB664 1 2; FB665 1 2; FB666 1 2; FB667 1 2; FB668 1 2; FB669 1 2; FB670 1 2; FB671 1 2; FB672 1 2; FB673 1 2; FB674 1 2; FB675 1 2; FB676 1 2; FB677 1 2; FB678 1 2; FB679 1 2; FB680 1 2; FB681 1 2; FB682 1 2; FB683 1 2; FB684 1 2; FB685 1 2; FB686 1 2; FB687 1 2; FB688 1 2; FB689 1 2; FB690 1 2; FB691 1 2; FB692 1 2; FB693 1 2; FB694 1 2; FB695 1 2; FB696 1 2; FB697 1 2; FB698 1 2; FB699 1 2; FB700 1 2; FB701 1 2; FB702 1 2; FB703 1 2; FB704 1 2; FB705 1 2; FB706 1 2; FB707 1 2; FB708 1 2; FB709 1 2; FB710 1 2; R583 1 2; R584 1 2; R585 1 2; R586 1 2; R587 1 2; R588 1 2; R589 1 2; R590 1 2; R591 1 2; R592 1 2; R593 1 2; R594 1 2; R595 1 2; R596 1 2; R597 1 2; R598 1 2; R599 1 2; R600 1 2; R601 1 2; R602 1 2; R603 1 2; R604 1 2; R605 1 2; R606 1 2; R607 1 2; R608 1 2; R609 1 2; R610 1 2; R611 1 2; R612 1 2; R613 1 2; R614 1 2; R615 1 2; R616 1 2; R617 1 2; R618 1 2; R619 1 2; R620 1 2; R621 1 2; R622 1 2; R623 1 2; R624 1 2; R625 1 2; R626 1 2; R627 1 2; R628 1 2; R629 1 2; R630 1 2; R631 1 2; R632 1 2; R633 1 2; R634 1 2; R635 1 2; R636 1 2; R637 1 2; R638 1 2; R639 1 2; R640 1 2; R641 1 2; R642 1 2; R643 1 2; R644 1 2; R645 1 2; R646 1 2; R647 1 2; R648 1 2; R649 1 2; R650 1 2; R651 1 2; R652 1 2; R653 1 2; R654 1 2; R655 1 2; R656 1 2; R657 1 2; R658 1 2; R659 1 2; R660 1 2; R661 1 2; R662 1 2; U401 1 2 3 4 5 6 7 8 9 10 11 12 13 14 15 16 17 18 19 20 21 22 23 24 25 26 27 28 29 30 31 32 33 34 35 36 37 38 39 40 41 42 43 44 45 46 47 48 EP; U402 1 2 3 4 5 6 7 8 9 10 11 12 13 14 15 16 17 18 19 20 21 22 23 24 25 26 27 28 29 30 31 32 33 34 35 36 37 38 39 40 41 42 43 44 45 46 47 48 EP; U403 1 2 3 4 5 6 7 8 9 10 11 12 13 14 15 16 17 18 19 20 21 22 23 24 25 26 27 28 29 30 31 32 33 34 35 36 37 38 39 40 41 42 43 44 45 46 47 48 EP; U404 1 2 3 4 5 6 7 8 9 10 11 12 13 14 15 16 17 18 19 20 21 22 23 24 25 26 27 28 29 30 31 32 33 34 35 36 37 38 39 40 41 42 43 44 45 46 47 48 EP; U405 1 2 3 4 5 6 7 8 9 10 11 12 13 14 15 16 17 18 19 20 21 22 23 24 25 26 27 28 29 30 31 32 33 34 35 36 37 38 39 40 41 42 43 44 45 46 47 48 EP; U406 1 2 3 4 5 6 7 8 9 10 11 12 13 14 15 16 17 18 19 20 21 22 23 24 25 26 27 28 29 30 31 32 33 34 35 36 37 38 39 40 41 42 43 44 45 46 47 48 EP